# Altium PCB gateway.PcbDoc (part 4 of 4)
Units mm, origin at the board's own origin, x right, y up, seen from the top; angles counter-clockwise.
Board outline 85 x 87.5 mm, 4 copper layers (L1, L2/PWR, L3/GND, L4), stack 1.58 mm thick; 275 components, 211 nets, 1349 pads, 793 vias.
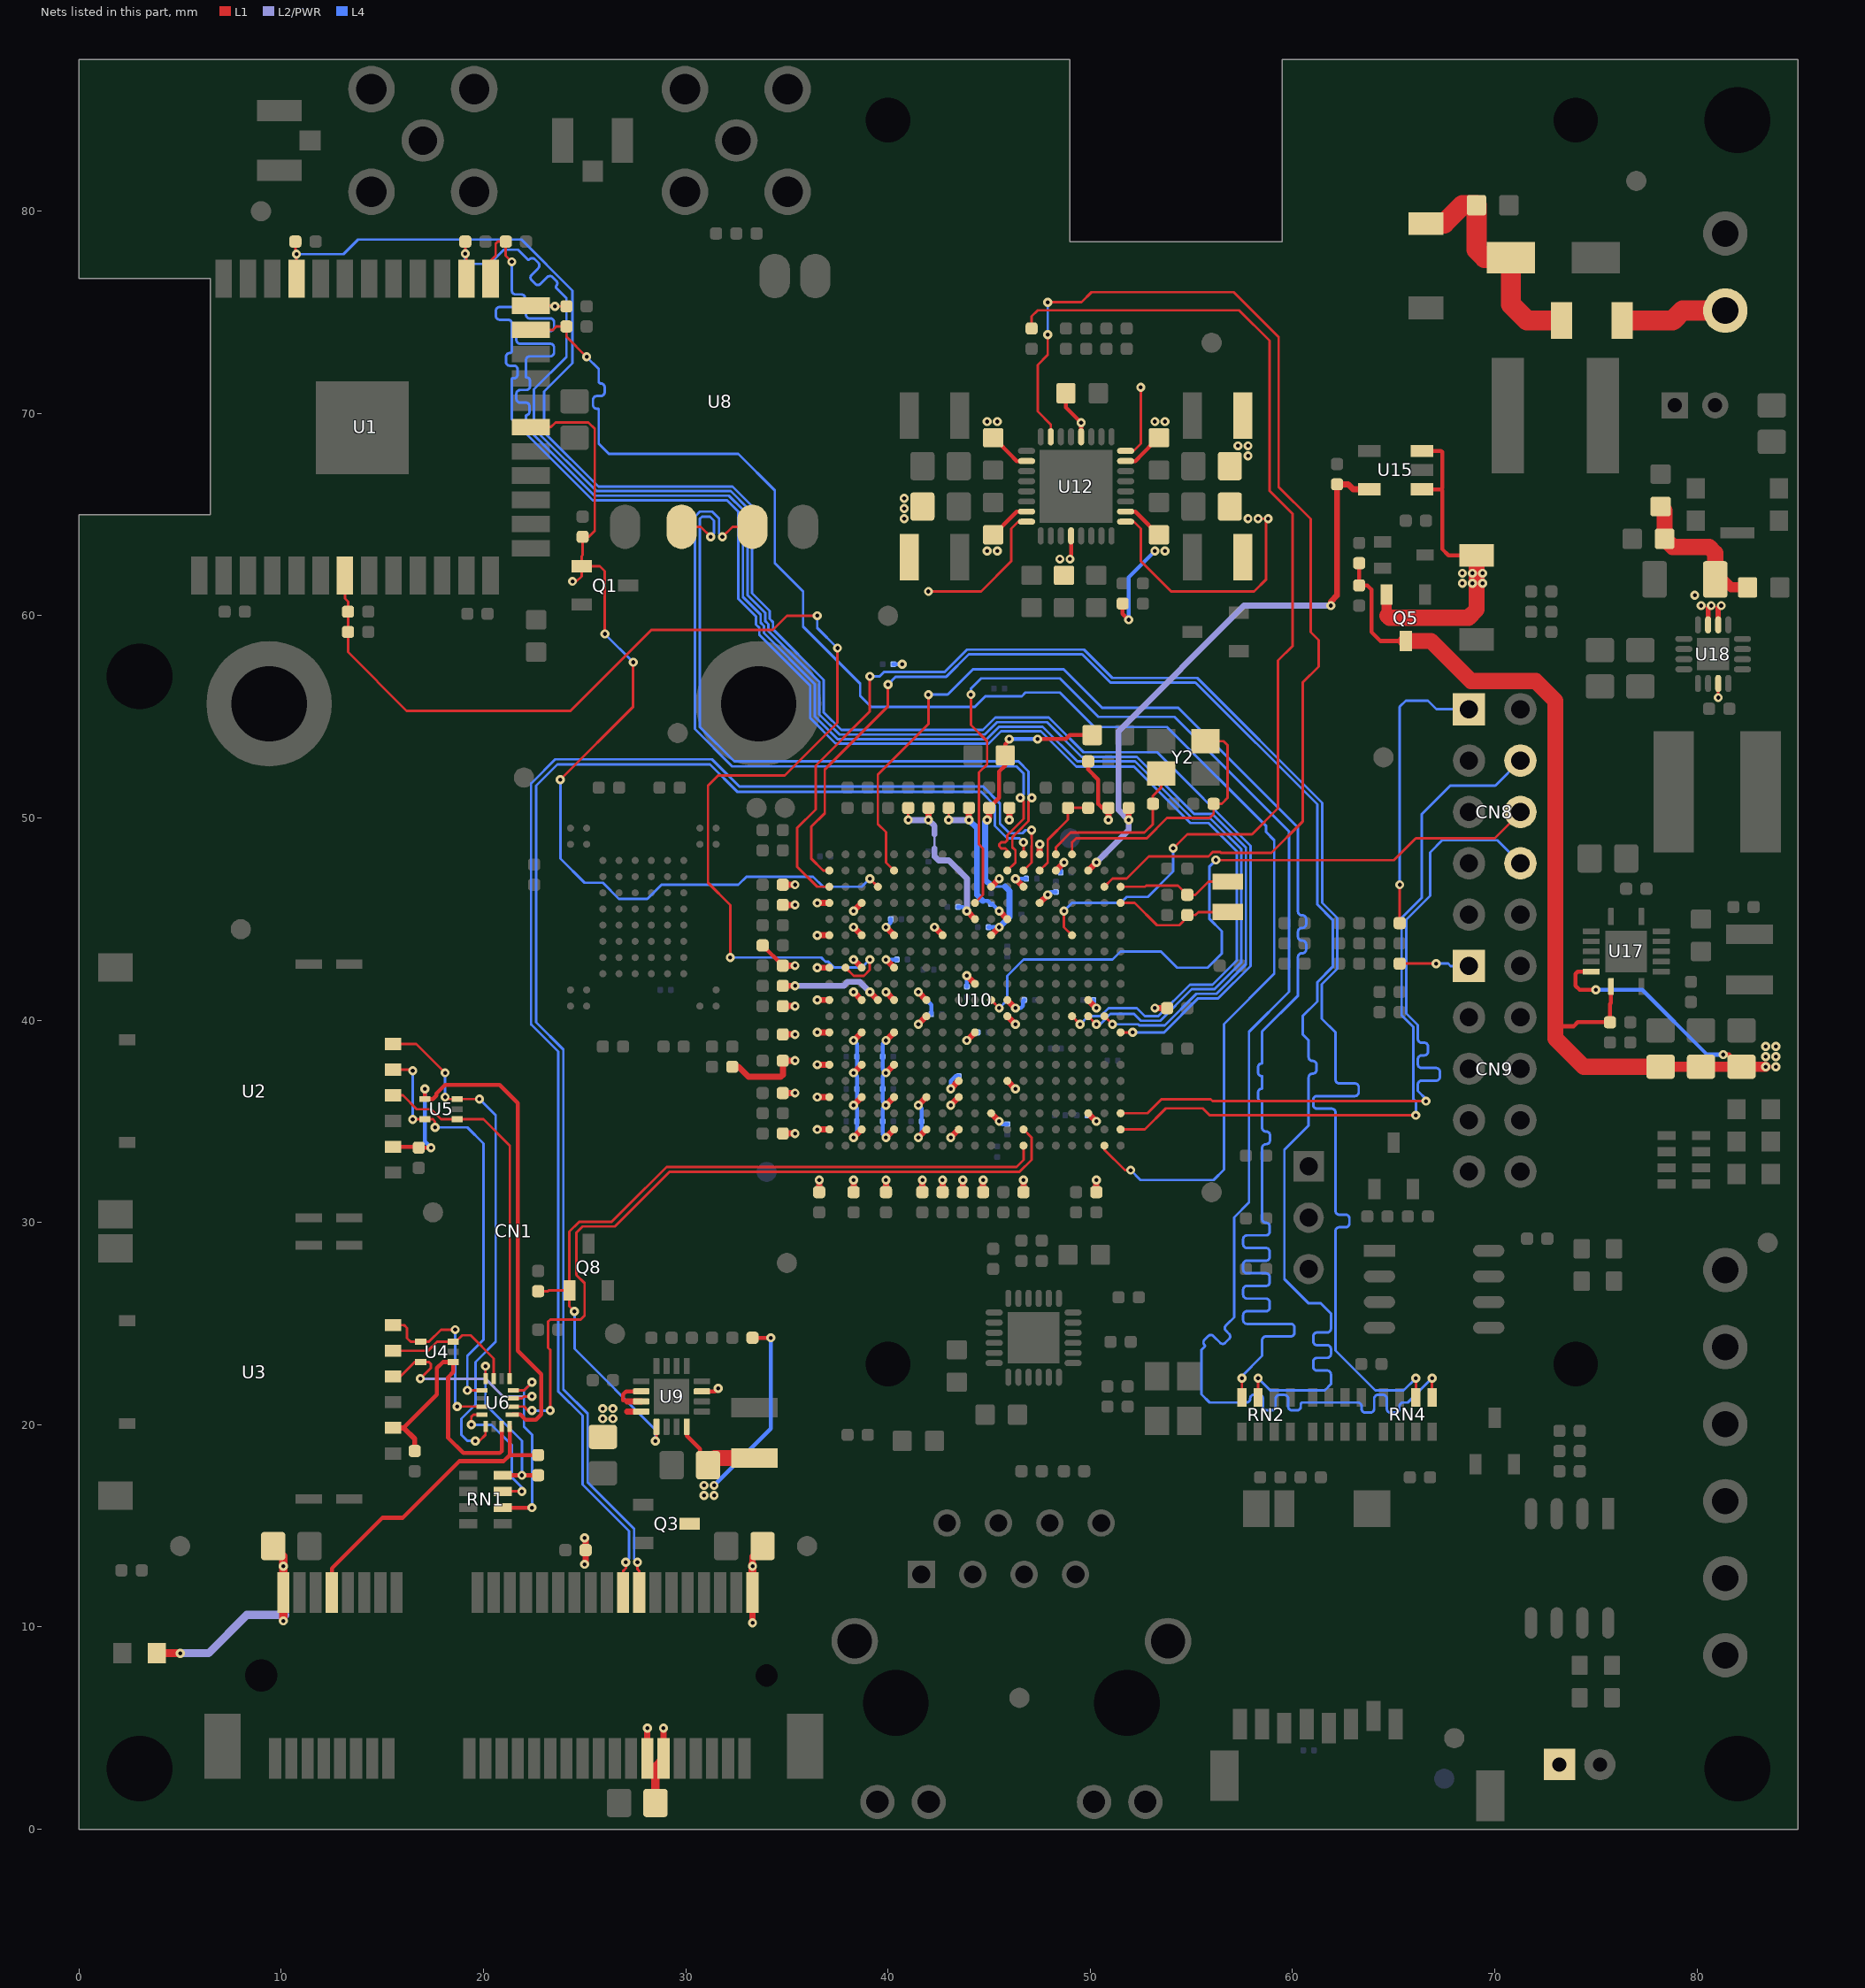
[diagram p6: the nets of this part, all layers, seen from the top]

## Via types
v1: diameter 0.45, hole 0.2, L1 to L4, 715 vias
v2: diameter 0.45, hole 0.2, L1 to L4, tented both sides, 78 vias

## Nets (pads, with @x,y where several pads share a name; then routed paths per layer and width w, separated by ;. In a path a pad name is that pad's centre, name@x,y a point inside that pad or via, vN(x,y) a via of type N, cw(c..) or ccw(c..) an arc to the next point about the centre after c; other vN are vias at no path point) (continued)
SD_DATA0: RN2.7 U10.V19 | length 76
  L1 w0.125: RN2.7@58.3,21.35 v1(58.3,22.3)
  L1 w0.127: U10.V19@37.1,47.4 36.8,47.4 36.2,48 36.2,49.559 36.873,50.232 36.873,52.394 40,55.521 v1(40,56.6)
  L4 w0.127: v1(40,56.6) 40.386,56.986 42.886,56.986 44,58.1 49.6,58.1 51,56.7 55.2,56.7 61.226,50.674 61.226,45.723 61.989,44.961 61.989,42.639 61.226,41.877 61.226,40.926 60.5,40.2 60.5,39.3 60.8,39 60.8,38.175 ccw(c60.988,38.175) 60.988,37.987 61,37.987 cw(c61,37.798) 61.188,37.798 61.188,37.548 cw(c61,37.548) 61,37.36 60.988,37.36 ccw(c60.988,37.171) 60.8,37.171 60.8,34.8 59.6,33.6 59.6,27.2 60.8,26 61.4,26 61.9,25.5 61.9,24.748 cw(c61.712,24.748) 61.712,24.559 61.214,24.559 ccw(c61.214,24.371) 61.026,24.371 61.026,24.121 ccw(c61.214,24.121) 61.214,23.932 61.712,23.932 cw(c61.712,23.744) 61.9,23.744 61.9,23.494 cw(c61.712,23.494) 61.712,23.306 61.214,23.306 ccw(c61.214,23.117) 61.026,23.117 61.026,22.867 ccw(c61.214,22.867) 61.214,22.679 61.712,22.679 cw(c61.712,22.49) 61.9,22.49 61.9,22 61.6,21.7 58.9,21.7 v1(58.3,22.3)
SD_DATA1: RN2.8 U10.V15 | length 75.4
  L1 w0.125: U10.V15@40.3,47.4 39.9,47.8 39.9,49.3 39.5,49.7 39.5,52.148 42.013,54.661 42,54.673 v1(42,56.1) ; RN2.8@57.5,21.35 v1(57.5,22.3)
  L4 w0.125: v1(42,56.1) 42.952,56.1 44.202,57.35 48.686,57.35 50.586,55.45 54.348,55.45 60.275,49.523 60.275,45.5 60.275,45.375 ccw(c60.463,45.375) 60.463,45.188 60.488,45.188 cw(c60.488,45) 60.675,45 60.675,44.75 cw(c60.488,44.75) 60.488,44.563 60.463,44.563 ccw(c60.463,44.375) 60.275,44.375 60.275,44.125 ccw(c60.463,44.125) 60.463,43.938 60.488,43.938 cw(c60.488,43.75) 60.675,43.75 60.675,43.5 cw(c60.488,43.5) 60.488,43.313 60.463,43.313 ccw(c60.463,43.125) 60.275,43.125 60.275,42.9 60.275,41.22 58.5,39.445 58.5,38.8 58.5,38.488 58.5,37.863 58.485,37.863 ccw(c58.485,37.675) 58.298,37.675 58.298,37.425 ccw(c58.485,37.425) 58.485,37.238 58.5,37.238 58.5,36.613 58.485,36.613 ccw(c58.485,36.425) 58.298,36.425 58.298,36.175 ccw(c58.485,36.175) 58.485,35.988 58.5,35.988 58.5,35.4 58.5,34.685 ccw(c58.688,34.685) 58.688,34.498 58.7,34.498 cw(c58.7,34.31) 58.888,34.31 58.888,34.06 cw(c58.7,34.06) 58.7,33.873 58.688,33.873 ccw(c58.688,33.685) 58.5,33.685 58.5,30.175 ccw(c58.688,30.175) 58.688,29.988 cw(c58.688,29.8) 58.875,29.8 58.875,29.55 cw(c58.688,29.55) 58.688,29.363 57.75,29.363 ccw(c57.75,29.175) 57.562,29.175 57.562,28.925 ccw(c57.75,28.925) 57.75,28.738 58.688,28.738 cw(c58.688,28.55) 58.875,28.55 58.875,28.3 cw(c58.688,28.3) 58.688,28.113 57.75,28.113 ccw(c57.75,27.925) 57.562,27.925 57.562,27.675 ccw(c57.75,27.675) 57.75,27.488 58.688,27.488 cw(c58.688,27.3) 58.875,27.3 58.875,27.05 cw(c58.688,27.05) 58.688,26.863 57.75,26.863 ccw(c57.75,26.675) 57.562,26.675 57.562,26.425 ccw(c57.75,26.425) 57.75,26.238 58.688,26.238 cw(c58.688,26.05) 58.875,26.05 58.875,25.8 cw(c58.688,25.8) 58.688,25.613 57.75,25.613 ccw(c57.75,25.425) 57.562,25.425 57.562,25.175 ccw(c57.75,25.175) 57.75,24.988 59.91,24.988 cw(c59.91,24.8) 60.098,24.8 60.098,24.55 cw(c59.91,24.55) 59.91,24.363 58.688,24.363 ccw(c58.688,24.175) 58.5,24.175 58.5,23.4 57.5,22.4 v1(57.5,22.3)
SD_DATA2: RN4.5 U10.T10 | length 78.7
  L1 w0.125: v1(44.1,56.1) 44.1,54.6 44.9,53.8 44.9,52.651 44.5,52.251 44.5,48.7 44.7,48.5 44.7,46.2 U10.T10@44.3,45.8 ; RN4.5@66.9,21.35 v1(66.9,22.3)
  L4 w0.125: v1(44.1,56.1) 44.1,56.4 44.6,56.9 48.5,56.9 50.4,55 54.162,55 59.825,49.337 59.825,41.407 57.848,39.43 57.848,30.993 57.112,30.258 57.112,25.312 56.8,25 56.712,24.912 ccw(c56.844,24.779) 56.712,24.646 56.862,24.496 cw(c56.729,24.363) 56.862,24.231 56.685,24.054 cw(c56.553,24.187) 56.42,24.054 56.137,24.337 56.094,24.38 ccw(c55.962,24.247) 55.829,24.38 55.652,24.203 ccw(c55.785,24.07) 55.652,23.938 cw(c55.61,23.895) 55.652,23.852 55.5,23.7 55.5,23.6 55.5,21.5 55.9,21.1 57.725,21.1 ccw(c57.725,21.288) 57.912,21.288 57.912,21.3 cw(c58.1,21.3) 58.1,21.488 58.35,21.488 cw(c58.35,21.3) 58.537,21.3 58.537,20.9 ccw(c58.725,20.9) 58.725,20.712 58.975,20.712 ccw(c58.975,20.9) 59.162,20.9 59.162,21.287 cw(c59.35,21.287) 59.35,21.474 59.6,21.474 cw(c59.6,21.287) 59.787,21.287 59.787,20.9 ccw(c59.975,20.9) 59.975,20.712 60.225,20.712 ccw(c60.225,20.9) 60.412,20.9 60.412,21.012 cw(c60.5,21.012) 60.5,21.1 63.225,21.1 cw(c63.225,20.913) 63.413,20.913 63.413,20.787 ccw(c63.6,20.787) 63.6,20.6 63.85,20.6 ccw(c63.85,20.787) 64.038,20.787 64.038,21.288 cw(c64.225,21.288) 64.225,21.475 64.475,21.475 cw(c64.475,21.288) 64.663,21.288 64.663,20.787 ccw(c64.85,20.787) 64.85,20.6 65.1,20.6 ccw(c65.1,20.787) 65.288,20.787 65.288,20.913 cw(c65.475,20.913) 65.475,21.1 65.7,21.1 v1(66.9,22.3)
SD_DATA3: RN4.6 U10.U19 | length 78
  L1 w0.125: U10.U19@37.1,46.6 36.5,46.6 35.5,47.6 35.5,49.5 36.42,50.42 36.42,52.582 39.1,55.262 v1(39.1,57) ; RN4.6@66.1,21.35 v1(66.1,22.3)
  L4 w0.125: v1(39.1,57) 39.588,57 39.8,57.212 42.793,57.212 43.906,58.326 49.694,58.326 51.094,56.926 55.294,56.926 61.469,50.751 61.469,45.8 62.215,45.055 62.215,42.545 61.452,41.783 61.452,40.077 62.126,39.403 62.126,37.063 ccw(c62.314,37.063) 62.314,36.876 63.088,36.876 cw(c63.088,36.688) 63.275,36.688 63.275,36.438 cw(c63.088,36.438) 63.088,36.251 61.213,36.251 ccw(c61.213,36.063) 61.026,36.063 61.026,35.813 ccw(c61.213,35.813) 61.213,35.626 61.939,35.626 cw(c61.939,35.438) 62.126,35.438 62.126,30.575 ccw(c62.314,30.575) 62.314,30.388 62.626,30.388 cw(c62.626,30.2) 62.814,30.2 62.814,29.95 cw(c62.626,29.95) 62.626,29.763 62.314,29.763 ccw(c62.314,29.575) 62.126,29.575 62.126,23.674 64.1,21.7 65.5,21.7 v1(66.1,22.3)
SHDN: R29.1 U10.P4 | length 51.7
  L1 w0.125: R29.1@47.1,74.2 47.1,74.8 47.4,75.1 57.361,75.1 58.864,73.597 58.864,66.179 60,65.043 60,58.5 59.289,57.789 59.289,50.489 58,49.2 54.8,49.2 v1(54.1,48.5) ; v1(48.7,45.4) 48.7,44.6 U10.P4@49.1,44.2
  L4 w0.125: v1(48.7,45.4) 49.1,45.8 51.5,45.8 51.8,46.1 52.848,46.1 54.1,47.352 v1(54.1,48.5)
SIM1_CLK: U2.3 U5.3 U6.13 | length 25.5
  L1 w0.125: U2.3@15.53,38.825 16.675,38.825 v1(18.1,37.4) ; v1(18.1,36.2) 18.2,36.1 U5.3@18.7,36.1 v1@19.7,36.1 ; v1(19.6,19.2) 19.8,19.2 20.1,19.5 U6.13@20.1,19.925
  L4 w0.125: v1@18.1,36.2 v1(18.1,37.4) ; v1(19.6,19.2) 19.2,19.2 18.9,19.5 18.9,20.299 19.6,20.999 19.6,23.1 20.6,24.1 20.6,35.3 v1(19.8,36.1)
SIM1_DATA: U2.7 U5.5 U6.9 | length 20.8
  L1 w0.125: U2.7@15.53,37.555 16.445,37.555 v1(16.5,37.5) ; v1(16.5,35.1) U5.5@17.1,35.1 17.5,35.1 17.6,35 v1(17.6,34.7) ; v1(19.2,21.7) U6.9@19.925,21.7
  L4 w0.125: v1(16.5,35.1) v1(16.5,37.5) ; v1(17.6,34.7) 19.2,34.7 20,33.9 20,24.2 19.2,23.4 v1(19.2,21.7)
SIM1_RST: U2.2 U5.1 U6.5 | length 18.3
  L1 w0.125: U2.2@15.53,36.285 16.015,36.285 16.7,35.6 17.4,35.6 17.9,35.1 U5.1@18.7,35.1 20,35.1 21.3,33.8 U6.5@21.3,22.275
SIM1_VDD: C4.1 U2.1 U5.4 U6.1 | length 28.2
  L1 w0.2: U2.1@15.53,33.745 16.755,33.745 C4.1@16.8,33.7 v1(17.4,33.7) ; v1(17.1,36.6) U5.4@17.1,36.1 17.5,36.1 17.675,36.275 17.675,36.376 18.099,36.8 20.8,36.8 21.7,35.9 21.7,23.65 22.85,22.5 22.85,20.514 22.586,20.25 22.08,20.25 21.83,20.5 U6.1@21.425,20.5
  L4 w0.2: v1(17.1,36.6) 17.1,34 v1(17.4,33.7)
SIM2_CLK: U3.3 U4.4 U6.11 | length 9
  L1 w0.125: U3.3@15.53,24.925 16.075,24.925 16.217,24.783 16.217,24.283 16.4,24.1 U4.4@16.9,24.1 17.3,24.1 17.9,24.7 v1(18.6,24.7) ; v1(18.7,20.9) U6.11@19.925,20.9
  L4 w0.125: v1(18.6,24.7) 18.6,21 v1(18.7,20.9)
SIM2_DATA: U3.7 U4.3 U6.7 | length 6.8
  L1 w0.125: U3.7@15.53,23.655 17.255,23.655 17.7,24.1 U4.3@18.5,24.1 18.627,24.1 18.947,24.419 19.365,24.419 20.507,23.278 20.507,22.72 20.5,22.713 U6.7@20.5,22.275
SIM2_RST: U3.2 U4.5 U6.3 | length 10
  L1 w0.125: U3.2@15.53,22.385 15.885,22.385 16.6,23.1 U4.5@16.9,23.1 17.3,23.1 17.4,23 17.4,22.8 v1(16.875,22.275) ; U6.3@21.475,21.3 21.9,21.3 22,21.4 v1(22.4,21.4)
  L2/PWR w0.125: v1(16.875,22.275) 20.1,22.275 20.975,21.4 v1(22.4,21.4)
SIM2_VDD: C3.1 U3.1 U4.1 U6.15 | length 14.5
  L1 w0.2: 16.055,19.845 17.7,21.49 17.7,22.8 18,23.1 U4.1@18.5,23.1 18.5,22.6 18.25,22.35 18.25,19.35 19,18.6 20.8,18.6 20.9,18.7 U6.15@20.9,19.925
  L1 w0.254: U3.1@15.53,19.845 16.055,19.845 16.6,19.3 C3.1@16.6,18.7
SIM_CLK: RN1.7 U6.12 | length 6.8
  L1 w0.125: v1(19.4,20) 19.4,20.4 19.5,20.5 U6.12@19.925,20.5 ; RN1.7@20.95,16.7 20.963,16.712 21.888,16.712 v1(21.9,16.7)
  L4 w0.125: v1(19.4,20) 20.4,20 21.4,19 21.4,17.4 21.9,16.9 v1(21.9,16.7)
SIM_DATA: R7.2 RN1.8 U6.8 | length 8.5
  L1 w0.125: U6.8@20.1,22.275 v1(20.1,22.9) v1@20.12,22.88
  L1 w0.2: RN1.8@20.95,17.5 v1(21.9,17.5) R7.2@22.7,17.5
  L4 w0.125: v1(20.1,22.9) 20.1,21 21.9,19.2 v1(21.9,17.5)
SIM_RST: RN1.6 U6.4 | length 9.1
  L1 w0.125: U6.4@21.475,21.7 22,21.7 v1(22.4,22.1)
  L1 w0.2: RN1.6@20.95,15.9 v1(22.4,15.9)
  L4 w0.125: v1(22.4,15.9) 22.4,19.5 22,19.9 22,21.7 v1(22.4,22.1)
SIM_SEL: U6.2 U10.B7 | length 38.2
  L1 w0.125: U6.2@21.475,20.9 22,20.9 22.2,20.7 v1(22.4,20.7) ; v1(23.3,20.7) 23.3,23.7 23.2,23.8 23.2,25.1 23.3,25.2 24.8,25.2 25,25.4 25,27 24.6,27.4 24.6,29.5 24.9,29.8 26.5,29.8 29.2,32.5 46.5,32.5 47.1,33.1 47.1,34.2 U10.B7@46.7,34.6
  L4 w0.125: v1(22.4,20.7) v1(23.3,20.7)
SIM_VDD: CN1.8 R7.1 U6.16 | length 15.1
  L1 w0.2: CN1.8@12.5,11.7 12.5,12.9 15,15.4 16,15.4 18.8,18.2 21,18.2 21.3,18.5 ; U6.16@21.3,19.925 21.3,18.5 ; R7.1@22.7,18.5 21.3,18.5
TDM_CLK: CN8.6 U10.K9 | length 35.1
  L1 w0.127: U10.K9@45.1,41 v1(45.5,40.6) ; v1(56.215,47.925) 56.228,47.911 65.012,47.911 66.1,49 70,49 71.27,50.27 CN8.6@71.27,50.3
  L4 w0.127: v1(45.5,40.6) 45.9,41 45.9,42.2 46.7,43 51.1,43 51.5,43.4 53.5,43.4 54.3,42.6 55.8,42.6 56.5,43.3 56.5,44.4 55.9,45 55.9,47.61 v1(56.215,47.925)
TDM_DATA: CN8.4 U10.B1 | length 36.7
  L1 w0.125: U10.B1@51.5,34.6 52.7,34.6 53.74,35.64 55.56,35.64 55.9,35.3 v1(66.1,35.3)
  L4 w0.125: v1(66.1,35.3) 66.1,35.975 65.975,36.1 65.975,39.668 65.398,40.245 65.398,45.066 66.388,46.055 66.388,50.188 67.8,51.6 70.03,51.6 CN8.4@71.27,52.84
TDM_FS: CN8.8 U10.C1 | length 36.3
  L1 w0.125: U10.C1@51.5,35.4 52.832,35.4 53.523,36.09 55.96,36.09 56.05,36 v1(66.6,36)
  L4 w0.125: v1(66.6,36) 66.6,36.1 66.2,36.5 66.2,36.825 cw(c66.387,36.825) 66.387,37.013 67.1,37.013 ccw(c67.1,37.2) 67.288,37.2 67.288,37.45 ccw(c67.1,37.45) 67.1,37.638 66.387,37.638 cw(c66.387,37.825) 66.2,37.825 66.2,38.075 cw(c66.387,38.075) 66.387,38.263 66.516,38.263 ccw(c66.516,38.45) 66.704,38.45 66.704,38.7 ccw(c66.516,38.7) 66.516,38.888 66.387,38.888 cw(c66.387,39.075) 66.2,39.075 66.2,39.761 65.623,40.338 65.623,44.973 66.8,46.15 66.8,48.3 67.4,48.9 70.13,48.9 CN8.8@71.27,47.76
USBA_N: CN1.36 U10.V7 | length 71.7
  L1 w0.125: CN1.36@26.9,11.7 26.9,12.762 27.037,12.9 v1(27.037,13.2) ; U10.V7@46.7,47.4 47.1,47.8 47.1,48.617 47.113,48.629 47.113,48.971 47.1,48.983 v1(47.1,49.4)
  L4 w0.125: v1(27.037,13.2) 27.2,13.363 27.2,14.746 24.9,17.046 24.9,20.446 23.7,21.646 23.7,38.446 22.423,39.723 22.35,39.796 22.35,51.704 22.423,51.777 23.546,52.9 31.3,52.9 32.65,51.55 44.704,51.55 45.538,50.716 45.538,49.716 46.004,49.25 46.654,49.25 46.804,49.4 v1(47.1,49.4)
USBA_P: CN1.38 U10.W7 | length 69.3
  L1 w0.125: v1(27.613,13.2) 27.613,12.85 27.7,12.762 CN1.38@27.7,11.7
  L1 w0.127: U10.W7@46.7,48.2 v1(46.7,48.8)
  L4 w0.125: v1(27.613,13.2) 27.45,13.363 27.45,14.85 25.15,17.15 25.15,20.55 23.95,21.75 23.95,38.55 22.6,39.9 22.6,51.6 23.65,52.65 31.196,52.65 32.546,51.3 44.6,51.3 45.288,50.613 45.288,49.612 45.9,49 46.5,49 v1(46.7,48.8)
USBB_N: U8.2 U10.V8 | length 36.4
  L1 w0.125: U8.2@29.8,64.4 30.738,64.4 v1(31.238,63.9) ; U10.V8@45.9,47.4 46.3,47.8 46.3,48.4 46.15,48.55 46.15,49.05 46.362,49.262 46.364,49.262 46.95,49.848 46.95,50.838 v1(47.113,51)
  L4 w0.125: v1(31.238,63.9) 31.4,64.063 31.4,64.7 31.2,64.9 30.8,64.9 30.7,64.8 30.7,54.5 32.4,52.8 46.454,52.8 46.95,52.304 46.95,51.163 v1(47.113,51)
USBB_P: U8.3 U10.W8 | length 36.8
  L1 w0.125: v1(31.813,63.9) 32.313,64.4 U8.3@33.3,64.4 ; U10.W8@45.9,48.2 45.9,48.4 45.8,48.5 45.6,48.5 45.5,48.6 45.5,48.7 45.6,48.8 45.8,48.8 45.9,48.9 45.9,49.154 46.7,49.954 46.7,50.838 v1(46.538,51)
  L4 w0.125: v1(31.813,63.9) 31.65,64.063 31.65,64.804 31.304,65.15 30.696,65.15 30.45,64.904 30.45,54.396 32.296,52.55 46.35,52.55 46.7,52.2 46.7,51.163 v1(46.538,51)
VBATT: C89.2 C95.1 C98.1 CN10.1 Q5.3 R49.2 R50.1 R66.1 U17.6 U17.7 | length 57.9
  L1 w0.2: R49.2@63.3,62.6 R50.1@63.3,61.5 63.7,61.5 63.9,61.3 63.9,59.2 64.35,58.75 Q5.3@65.6,58.75 ; 73,39.7 73.9,39.7 74.1,39.9 C89.2@75.7,39.9 75.7,40.8 75.75,40.85 U17.7@75.75,41.67 ; U17.6@74.77,42.4 74.1,42.4 74,42.3 74,41.7 74.2,41.5 v1(75,41.5) ; v1(81.3,38.3) 81.6,38.3 R66.1@82.2,37.7
  L1 w0.5: C95.1@78.2,37.7 C98.1@80.2,37.7 R66.1@82.2,37.7 v1(83.4,37.7)
  L1 w0.8: Q5.3@65.6,58.75 66.85,58.75 68.825,56.775 72.021,56.775 73,55.796 73,39.7 73,39.1 74.4,37.7 C95.1@78.2,37.7
  L4 w0.2: v1(75,41.5) 77.3,41.5 80.5,38.3 v1(81.3,38.3)
  other v1: 83.9,37.7 83.4,38.2 83.9,38.2 83.4,38.7 83.9,38.7
VBG: C58.2 R34.1 U10.V6 | length 4.7
  L1 w0.125: U10.V6@47.5,47.4 47.9,47.8 47.9,48.918 48.9,49.918 C58.2@48.9,50.5 R34.1@49.9,50.5
VDD_DDR: C21.2 C36.2 C38.2 C75.2 C110.1 C111.1 L5.2 U10.B11 U10.B13 U10.D11 U10.D13 U10.K13 U10.K16 U12.32 | length 16
  L1 w0.125: U12.32@51.75,68.15 52.15,68.15 52.5,68.5 v1(52.5,71.3)
  L1 w0.3: C21.2@34.8,41.7 v1(35.4,41.7) ; v1(39.1,41.4) U10.K16@39.5,41 ; v1(41.5,34.2) U10.B13@41.9,34.6 ; v1(41.5,35.8) U10.D13@41.9,36.2 ; v1(41.5,41.4) U10.K13@41.9,41 ; C36.2@41.7,31.5 v1(41.7,32.1) ; C38.2@42.7,31.5 v1(42.7,32.1) ; v1(43.1,34.2) U10.B11@43.5,34.6 ; v1(43.1,35.8) U10.D11@43.5,36.2
  L2/PWR w0.3: v1(35.4,41.7) 37.8,41.7 38,41.9 38.6,41.9 v1(39.1,41.4)
  L4 w0.2: v1(41.5,34.2) 41.662,34.362 C110.1@41.662,35 41.662,35.638 v1(41.5,35.8) ; v1(41.5,41.4) 42.138,40.763 C111.1@42.138,40.3
  other v1: 57.8,67.9 57.3,68.4 57.8,68.4
VDDBU: C65.1 C81.2 U10.V3 U15.5 | length 29.4
  L1 w0.3: U10.V3@49.9,47.4 v1(50.3,47.8) ; v1(51.9,49.9) C65.1@51.9,50.5 ; v1(61.9,60.5) 61.9,60.7 62.2,61 C81.2@62.2,66.5 62.75,66.5 63,66.25 U15.5@63.8,66.25
  L2/PWR w0.3: v1(50.3,47.8) 51.9,49.4 v1(51.9,49.9) 51.4,50.4 51.4,54.3 57.6,60.5 v1(61.9,60.5)
VDDCORE: C49.2 C51.2 C61.2 C64.2 C73.2 C76.2 C117.1 C119.1 C120.1 C121.1 C122.1 C123.1 C131.1 L6.2 R33.1 U10.C3 U10.C9 U10.K3 U10.K8 U10.T6 U10.U7 U10.U9 U10.V5 U10.W6 U12.25 | length 27.7
  L1 w0.125: U12.25@51.75,64.65 52.15,64.65 52.5,64.3 52.5,62.7 54,61.2 58.1,61.2 58.7,61.8 v1@58.7,64.8 ; v1(58.3,64.8) v1@58.7,64.8
  L1 w0.2: R33.1@49.9,52.8 49.9,52.4 50.4,51.9 50.4,50.7 50.6,50.5 C64.2@50.9,50.5
  L1 w0.3: U10.C9@45.1,35.4 v1(45.5,35) ; U10.U9@45.1,46.6 v1(45.5,47) ; U10.K8@45.9,41 v1(46.3,40.6) ; v1(46,49.9) C49.2@46,50.5 ; v1(46.3,47) U10.U7@46.7,46.6 ; C51.2@46.7,31.5 v1(46.7,32.1) ; U10.T6@47.5,45.8 v1(47.9,46.2) ; U10.W6@47.5,48.2 v1(47.5,48.7) ; U10.V5@48.3,47.4 v1(48.7,47.8) ; U10.C3@49.9,35.4 v1(50.3,35) ; U10.K3@49.9,41 v1(50.3,40.6) ; C61.2@50.3,31.5 v1(50.3,32.1) ; v1(50.9,49.9) C64.2@50.9,50.5 ; v1(53.2,40.6) C73.2@53.8,40.6
  L4 w0.2: v1(45.5,35) 45.638,34.862 C120.1@45.9,34.862 ; v1(46.3,40.6) 46.567,40.6 46.675,40.708 46.675,40.938 C119.1@46.738,41 ; v1(46.3,47) C123.1@46.838,47 ; v1(47.9,46.2) 48.038,46.338 C131.1@48.3,46.338 ; C117.1@48.538,47.3 48.538,47.637 v1(48.7,47.8) ; C121.1@49.862,35.3 50,35.3 v1(50.3,35) ; C122.1@50.163,41 50.163,40.737 v1(50.3,40.6)
  other v1: 57.8,64.8 58.8,64.8
VDDIODDR: C17.1 C18.1 C20.1 C22.1 C23.1 C24.1 C25.1 C26.1 C27.2 C28.1 C30.1 C32.1 C35.2 C40.1 C44.1 C103.1 C104.1 C105.1 C106.1 C107.1 C108.1 C109.1 C132.1 C133.1 C134.1 C135.2 C137.1 L3.2 R19.2 U10.B15 U10.B17 U10.B19 U10.D15 U10.D17 U10.D19 U10.E8 U10.E11 U10.F15 U10.F17 U10.F19 U10.H10 U10.H15 U10.H17 U10.H19 U10.J8 U10.J13 U10.K15 U10.K17 U10.K19 U10.L10 U10.M15 U10.M17 U10.M19 U10.P12 U10.P15 U10.P17 U10.P19 U10.T17 U10.T19 U12.16 | length 51.1
  L1 w0.125: v1(42,61.2) 44.6,61.2 46.1,62.7 46.1,64.3 46.45,64.65 U12.16@46.85,64.65
  L1 w0.2: C27.2@33.8,43.7 C20.1@34.8,42.7
  L1 w0.3: R19.2@32.3,37.7 32.6,37.7 33.1,37.2 34.7,37.2 34.8,37.3 C24.1@34.8,38 v1(35.4,38) ; C26.1@34.8,34.4 v1(35.4,34.4) ; C25.1@34.8,36.4 v1(35.4,36.4) ; C23.1@34.8,39.3 v1(35.4,39.3) ; C22.1@34.8,40.7 v1(35.4,40.7) ; C20.1@34.8,42.7 v1(35.4,42.7) ; C18.1@34.8,45.7 v1(35.4,45.7) ; C17.1@34.8,46.7 v1(35.4,46.7) ; v1(36.5,34.6) U10.B19@37.1,34.6 ; v1(36.5,36.2) U10.D19@37.1,36.2 ; v1(36.5,37.8) U10.F19@37.1,37.8 ; v1(36.5,39.4) U10.H19@37.1,39.4 ; v1(36.5,41) U10.K19@37.1,41 ; v1(36.5,42.6) U10.M19@37.1,42.6 ; v1(36.5,44.2) U10.P19@37.1,44.2 ; v1(36.5,45.8) U10.T19@37.1,45.8 ; C28.1@36.6,31.5 v1(36.6,32.1) ; C30.1@38.3,31.5 v1(38.3,32.1) ; v1(38.3,34.2) U10.B17@38.7,34.6 ; v1(38.3,35.8) U10.D17@38.7,36.2 ; v1(38.3,37.4) U10.F17@38.7,37.8 ; v1(38.3,39) U10.H17@38.7,39.4 ; v1(38.3,41.4) U10.K17@38.7,41 ; v1(38.3,43) U10.M17@38.7,42.6 ; v1(38.3,44.6) U10.P17@38.7,44.2 ; v1(38.3,45.4) U10.T17@38.7,45.8 ; C32.1@39.9,31.5 v1(39.9,32.1) ; v1(39.9,34.2) U10.B15@40.3,34.6 ; v1(39.9,35.8) U10.D15@40.3,36.2 ; v1(39.9,37.4) U10.F15@40.3,37.8 ; v1(39.9,39) U10.H15@40.3,39.4 ; v1(39.9,41.4) U10.K15@40.3,41 ; v1(39.9,43) U10.M15@40.3,42.6 ; v1(39.9,44.6) U10.P15@40.3,44.2 ; v1(41.5,39.8) U10.J13@41.9,40.2 ; v1(42.3,44.6) U10.P12@42.7,44.2 ; v1(43.1,36.6) U10.E11@43.5,37 ; C40.1@43.7,31.5 v1(43.7,32.1) ; v1(43.9,39) U10.H10@44.3,39.4 ; v1(43.9,42.2) U10.L10@44.3,41.8 ; C44.1@44.7,31.5 v1(44.7,32.1) ; U10.E8@45.9,37 v1(46.3,36.6) ; U10.J8@45.9,40.2 v1(46.3,39.8)
  L4 w0.2: v1(38.3,34.2) 38.462,34.362 C107.1@38.462,35 38.462,35.638 v1(38.3,35.8) 38.462,35.962 C132.1@38.462,36.6 38.462,37.238 v1(38.3,37.4) 38.462,37.562 C106.1@38.462,38.2 38.462,38.838 v1(38.3,39) ; v1(39.9,34.2) 39.737,34.363 C103.1@39.737,35 39.737,35.637 v1(39.9,35.8) 39.737,35.963 39.737,37.237 v1(39.9,37.4) 39.737,37.563 C108.1@39.737,38.2 39.737,38.837 v1(39.9,39) ; v1(39.9,43) C105.1@40.438,43 ; v1(39.9,44.6) 40.138,44.837 C134.1@40.138,45 ; C137.1@40.262,57.6 v1(40.7,57.6) ; v1(43.1,36.6) 43.1,37 43.338,37.238 C104.1@43.5,37.238 ; v1(43.9,39) 44.3,39.4 C109.1@44.438,39.4 ; C135.2@43.9,41.662 v1(43.9,42.2)
  other v1: 40.8,64.8 40.8,65.3 40.8,65.8
VDDOSC: C37.1 C115.1 R26.2 U10.R10 | length 8.9
  L1 w0.127: v1(41,49.9) R26.2@41,50.5
  L1 w0.3: v1(42,49.9) C37.1@42,50.5 ; v1(43.9,45.4) U10.R10@44.3,45
  L2/PWR w0.125: 42.3,48.5 42.3,49 42.3,49.2
  L2/PWR w0.3: v1(41,49.9) v1(42,49.9) 42.3,49.6 42.3,49.2 ; 42.3,48.5 42.3,48.1 42.5,47.9 43,47.9 43.9,47 v1(43.9,45.4)
  L4 w0.2: C115.1@43.462,45.6 43.7,45.6 v1(43.9,45.4)
VDDPLLA: C41.1 C47.2 C116.1 L4.2 U10.P9 | length 16.2
  L1 w0.2: C47.2@45,50.5 45.5,51 45.5,52.3 45.8,52.6 C41.1@45.8,53.1 45.8,53.651 46,53.851 v1(46,53.9) ; v1(47.4,53.9) 48.8,53.9 49,54.1 L4.2@50.1,54.1
  L1 w0.3: v1(44.9,49.9) 45,50 C47.2@45,50.5 ; U10.P9@45.1,44.2 v1(45.5,44.6)
  L4 w0.125: 45.081,46.631 45.1,46.612 45.788,46.612
  L4 w0.2: C116.1@44.962,44.6 v1(45.5,44.6) ; v1(46,53.9) v1(47.4,53.9)
  L4 w0.3: v1(44.9,49.9) 44.8,49.8 44.8,46.95 45.1,46.65 ; v1(45.5,44.6) 46,45.1 46,46.4 45.788,46.612
VDDUTMI: C42.1 C114.1 FB3.2 U10.R8 | length 8.1
  L1 w0.127: v1(43,49.9) FB3.2@43,50.5
  L1 w0.3: v1(44,49.9) C42.1@44,50.5 ; v1(45.5,45.4) U10.R8@45.9,45
  L2/PWR w0.3: v1(43,49.9) v1(44,49.9)
  L4 w0.2: 44.7,45.9 44.938,45.9 C114.1@45.1,45.738 45.163,45.738 v1(45.5,45.4)
  L4 w0.3: v1(44,49.9) 44.4,49.5 44.4,46.2 44.7,45.9
VIN: CN11.1L F1.1 | length 5.3
  L1 w1: F1.1@76.3,74.6 78.8,74.6 79.29,75.09 CN11.1L@81.4,75.09
VIN_FUSED: C83.1 D1.1 D3.2 F1.2 | length 12.1
  L1 w1: D1.1@66.6,79.4 67.5,79.4 68.4,80.3 C83.1@69.1,80.3 69.1,78.1 69.5,77.7 D3.2@70.8,77.7 70.8,75.4 71.6,74.6 F1.2@73.3,74.6
VIN_PROT: C94.1 C96.1 C102.1 CN8.1 FB4.2 R52.2 U18.2 U18.3 U18.11 | length 24.1
  L1 w0.125: R52.2@65.3,44.8 v1(65.3,46.7) ; v2(81.05,55.95) U18.11@81.05,56.65
  L1 w0.254: U18.3@80.55,59.55 v2@80.55,60.4 ; U18.2@81.05,59.55 v2@81.05,60.4
  L1 w0.5: C94.1@80.9,62.2 81.7,61.4 C102.1@82.5,61.4
  L1 w0.8: FB4.2@78.2,65.4 78.4,65.2 C96.1@78.4,63.8 78.407,63.8 78.807,63.4 80.6,63.4 80.9,63.1 C94.1@80.9,62.2
  L4 w0.125: v1(65.3,46.7) 65.3,55.5 65.6,55.8 66.7,55.8 67.12,55.38 CN8.1@68.73,55.38
  other v2: 80.2,60.5 80.7,60.5 81.2,60.5 79.89,61.02
VMODEM: C1.1 C11.1 C15.1 C16.1 CN1.2 CN1.39 CN1.41 CN1.52 L1.2 LED1.1 Q3.3 R8.2 R20.1 U9.16 | length 37.1
  L1 w0.2: U9.16@30.05,19.9 30.05,19.45 30.7,18.8 C15.1@30.7,18 ; R20.1@33.3,24.3 v1(34.2,24.3)
  L1 w0.3: v1(25,13.1) 25.05,13.15 R8.2@25.05,13.8 25.05,14.35 v1(25,14.4)
  L1 w0.305: CN1.39@28.1,3.5 v2(28.1,5) ; CN1.41@28.9,3.5 v2(28.9,5) ; v2(33.3,10.2) CN1.52@33.3,11.7 33.3,13.5 C16.1@33.8,14
  L1 w0.4: LED1.1@3.85,8.7 v1(5,8.7) ; C1.1@9.6,14 10.1,13.5 v1(10.1,10.3) ; C11.1@28.5,1.3 28.5,3.1 CN1.41@28.9,3.5 ; CN1.52@33.3,11.7 v2@33.3,13.1
  L1 w0.8: C15.1@31.1,18 31.45,18.35 L1.2@33.4,18.35
  L2/PWR w0.4: v1(5,8.7) 6.4,8.7 8.3,10.6 10.2,10.6
  L4 w0.2: v1(31.4,17) 34.2,19.8 v1(34.2,24.3)